# KiCad board SparkFun_IoT_RedBoard-RP2350_panelized.kicad_pcb
title: SparkFun IoT RedBoard - RP2350; date: 2025-02-05; rev: v10; company: SparkFun Electronics; note: Designed by: Alex Brudner
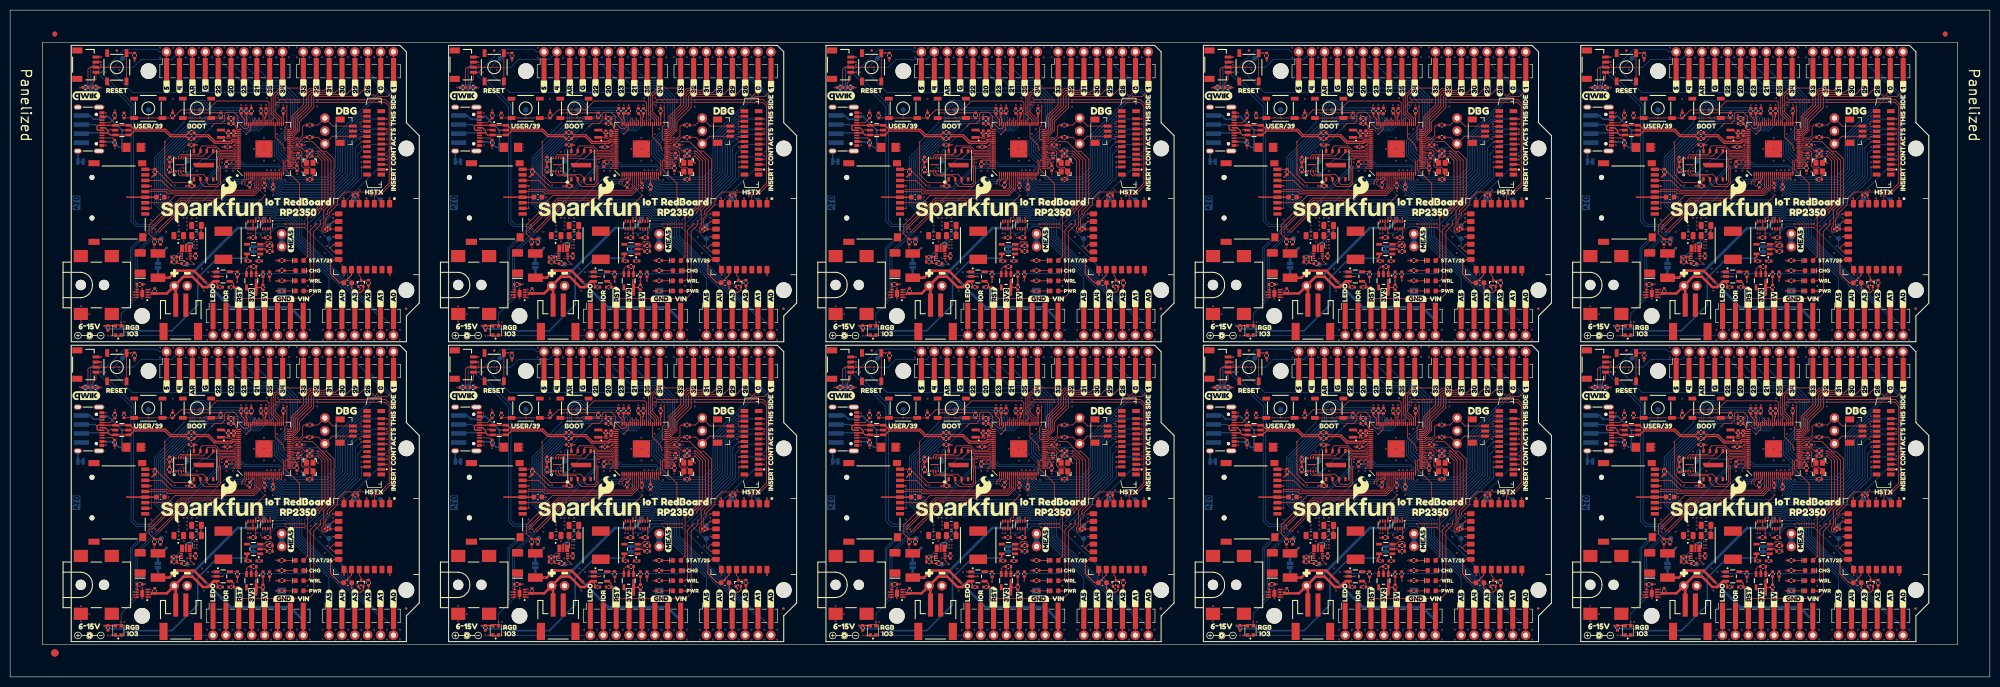
[diagram p0: board, top side]
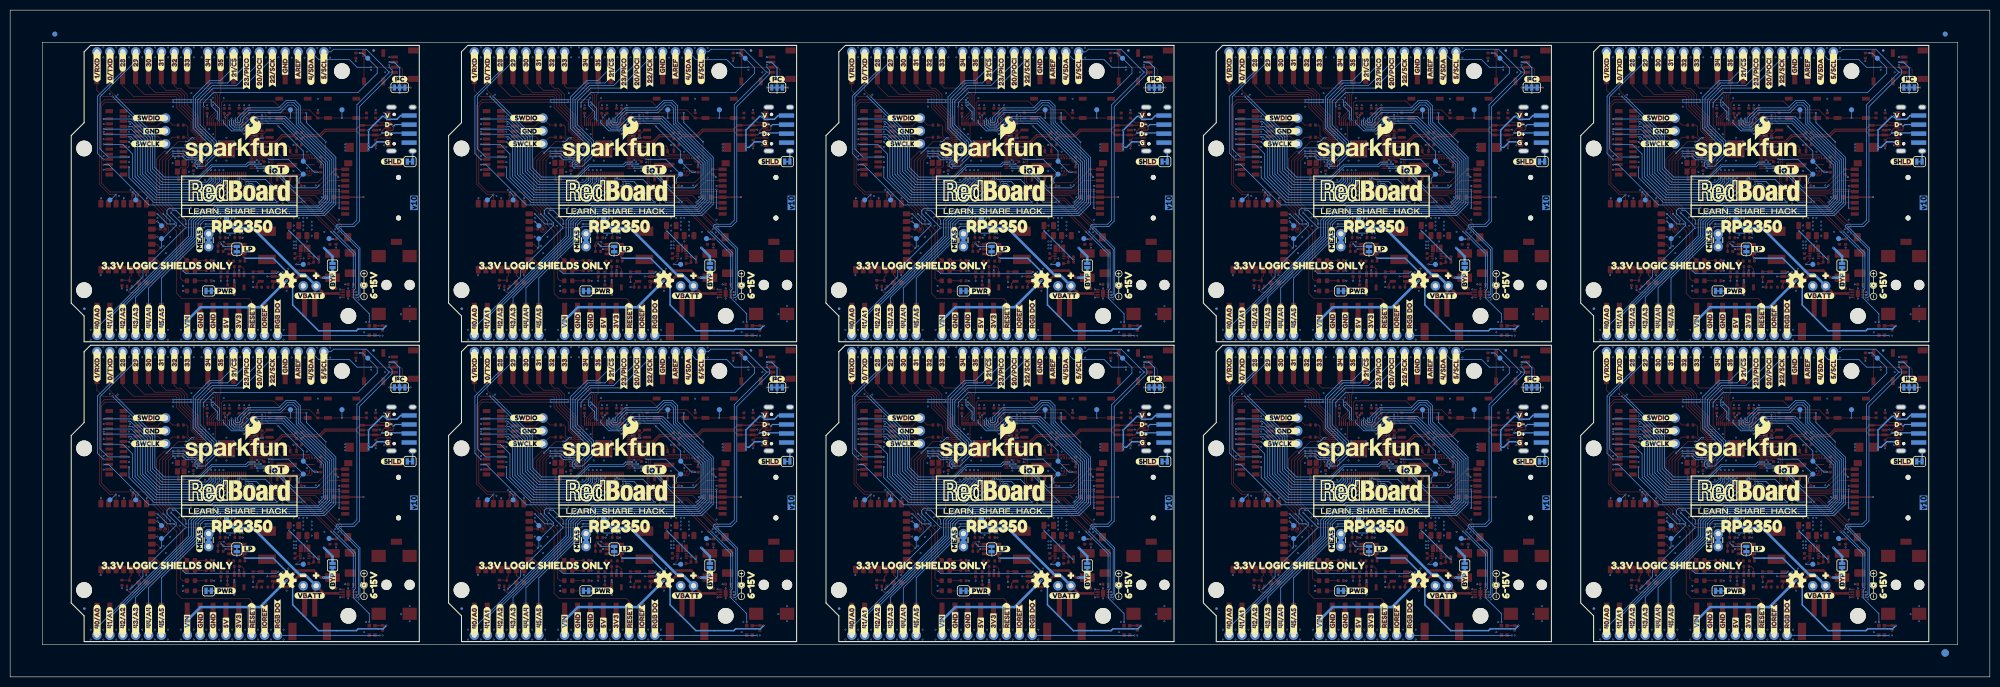
[diagram p1: board, bottom side, seen from below]

Outline 390.08 x 131.44 mm; copper layers: Top, In1.Cu, In2.Cu, Bottom. Coordinates in mm from the lower left corner of the outline.
Outline path: 0,131.44 390.08,131.44 390.08,0 0,0 0,131.44 ; 6.35,125.09 383.73,125.09 383.73,6.35 6.35,6.35 6.35,125.09
Stack: Top 0.035mm / dielectric 0.2104mm FR4-7628 er 4.4 / In1.Cu 0.0152mm / dielectric 1.065mm FR4-Core er 4.6 / In2.Cu 0.0152mm / dielectric 0.2104mm FR4-7628 er 4.4 / Bottom 0.035mm

## Placement (name value [footprint] x y rotation side)
C1  4.7uF  [C_0402_1005Metric]  57.02 45.76 180 top
C1#2  4.7uF  [C_0402_1005Metric]  131.38 45.76 180 top
C1#3  4.7uF  [C_0402_1005Metric]  205.74 45.76 180 top
C1#4  4.7uF  [C_0402_1005Metric]  57.02 104.88 180 top
C1#5  4.7uF  [C_0402_1005Metric]  131.38 104.88 180 top
C1#6  4.7uF  [C_0402_1005Metric]  205.74 104.88 180 top
C1#7  4.7uF  [C_0402_1005Metric]  354.46 104.88 180 top
C1#8  4.7uF  [C_0402_1005Metric]  280.1 104.88 180 top
C1#9  4.7uF  [C_0402_1005Metric]  280.1 45.76 180 top
C1#10  4.7uF  [C_0402_1005Metric]  354.46 45.76 180 top
C2  0.1uF  [C_0402_1005Metric]  49.42 52.46 90 top
C2#2  0.1uF  [C_0402_1005Metric]  198.14 52.46 90 top
C2#3  0.1uF  [C_0402_1005Metric]  49.42 111.58 90 top
C2#4  0.1uF  [C_0402_1005Metric]  346.86 52.46 90 top
C2#5  0.1uF  [C_0402_1005Metric]  123.78 111.58 90 top
C2#6  0.1uF  [C_0402_1005Metric]  198.14 111.58 90 top
C2#7  0.1uF  [C_0402_1005Metric]  123.78 52.46 90 top
C2#8  0.1uF  [C_0402_1005Metric]  272.5 111.58 90 top
C2#9  0.1uF  [C_0402_1005Metric]  272.5 52.46 90 top
C2#10  0.1uF  [C_0402_1005Metric]  346.86 111.58 90 top
C3  4.7uF  [C_0402_1005Metric]  46.52 52.46 270 top
C3#2  4.7uF  [C_0402_1005Metric]  195.24 52.46 270 top
C3#3  4.7uF  [C_0402_1005Metric]  120.88 52.46 270 top
C3#4  4.7uF  [C_0402_1005Metric]  46.52 111.58 270 top
C3#5  4.7uF  [C_0402_1005Metric]  120.88 111.58 270 top
C3#6  4.7uF  [C_0402_1005Metric]  269.6 111.58 270 top
C3#7  4.7uF  [C_0402_1005Metric]  195.24 111.58 270 top
C3#8  4.7uF  [C_0402_1005Metric]  343.96 52.46 270 top
C3#9  4.7uF  [C_0402_1005Metric]  269.6 52.46 270 top
C3#10  4.7uF  [C_0402_1005Metric]  343.96 111.58 270 top
C4  0.1uF  [C_0402_1005Metric]  50.12 37.76 270 top
C4#2  0.1uF  [C_0402_1005Metric]  273.2 37.76 270 top
C4#3  0.1uF  [C_0402_1005Metric]  50.12 96.88 270 top
C4#4  0.1uF  [C_0402_1005Metric]  124.48 96.88 270 top
C4#5  0.1uF  [C_0402_1005Metric]  198.84 37.76 270 top
C4#6  0.1uF  [C_0402_1005Metric]  124.48 37.76 270 top
C4#7  0.1uF  [C_0402_1005Metric]  198.84 96.88 270 top
C4#8  0.1uF  [C_0402_1005Metric]  273.2 96.88 270 top
C4#9  0.1uF  [C_0402_1005Metric]  347.56 37.76 270 top
C4#10  0.1uF  [C_0402_1005Metric]  347.56 96.88 270 top
C5  4.7uF  [C_0402_1005Metric]  43.52 49.96 0 top
C5#2  4.7uF  [C_0402_1005Metric]  43.52 109.08 0 top
C5#3  4.7uF  [C_0402_1005Metric]  117.88 109.08 0 top
C5#4  4.7uF  [C_0402_1005Metric]  117.88 49.96 0 top
C5#5  4.7uF  [C_0402_1005Metric]  266.6 49.96 0 top
C5#6  4.7uF  [C_0402_1005Metric]  340.96 49.96 0 top
C5#7  4.7uF  [C_0402_1005Metric]  192.24 49.96 0 top
C5#8  4.7uF  [C_0402_1005Metric]  340.96 109.08 0 top
C5#9  4.7uF  [C_0402_1005Metric]  192.24 109.08 0 top
C5#10  4.7uF  [C_0402_1005Metric]  266.6 109.08 0 top
C6  4.7uF  [C_0402_1005Metric]  44.02 48.06 270 top
C6#2  4.7uF  [C_0402_1005Metric]  118.38 107.18 270 top
C6#3  4.7uF  [C_0402_1005Metric]  341.46 48.06 270 top
C6#4  4.7uF  [C_0402_1005Metric]  267.1 48.06 270 top
C6#5  4.7uF  [C_0402_1005Metric]  267.1 107.18 270 top
C6#6  4.7uF  [C_0402_1005Metric]  192.74 48.06 270 top
C6#7  4.7uF  [C_0402_1005Metric]  44.02 107.18 270 top
C6#8  4.7uF  [C_0402_1005Metric]  118.38 48.06 270 top
C6#9  4.7uF  [C_0402_1005Metric]  192.74 107.18 270 top
C6#10  4.7uF  [C_0402_1005Metric]  341.46 107.18 270 top
C7  15pF  [C_0402_1005Metric]  207.74 38.96 180 top
C7#2  15pF  [C_0402_1005Metric]  59.02 98.08 180 top
C7#3  15pF  [C_0402_1005Metric]  133.38 98.08 180 top
C7#4  15pF  [C_0402_1005Metric]  282.1 38.96 180 top
C7#5  15pF  [C_0402_1005Metric]  133.38 38.96 180 top
C7#6  15pF  [C_0402_1005Metric]  207.74 98.08 180 top
C7#7  15pF  [C_0402_1005Metric]  356.46 38.96 180 top
C7#8  15pF  [C_0402_1005Metric]  282.1 98.08 180 top
C7#9  15pF  [C_0402_1005Metric]  356.46 98.08 180 top
C7#10  15pF  [C_0402_1005Metric]  59.02 38.96 180 top
C8  0.1uF  [C_0402_1005Metric]  45.52 52.46 90 top
C8#2  0.1uF  [C_0402_1005Metric]  342.96 52.46 90 top
C8#3  0.1uF  [C_0402_1005Metric]  194.24 52.46 90 top
C8#4  0.1uF  [C_0402_1005Metric]  119.88 111.58 90 top
C8#5  0.1uF  [C_0402_1005Metric]  194.24 111.58 90 top
C8#6  0.1uF  [C_0402_1005Metric]  268.6 52.46 90 top
C8#7  0.1uF  [C_0402_1005Metric]  119.88 52.46 90 top
C8#8  0.1uF  [C_0402_1005Metric]  45.52 111.58 90 top
C8#9  0.1uF  [C_0402_1005Metric]  268.6 111.58 90 top
C8#10  0.1uF  [C_0402_1005Metric]  342.96 111.58 90 top
C9  15pF  [C_0402_1005Metric]  133.38 43.56 0 top
C9#2  15pF  [C_0402_1005Metric]  207.74 43.56 0 top
C9#3  15pF  [C_0402_1005Metric]  282.1 102.68 0 top
C9#4  15pF  [C_0402_1005Metric]  59.02 102.68 0 top
C9#5  15pF  [C_0402_1005Metric]  282.1 43.56 0 top
C9#6  15pF  [C_0402_1005Metric]  133.38 102.68 0 top
C9#7  15pF  [C_0402_1005Metric]  207.74 102.68 0 top
C9#8  15pF  [C_0402_1005Metric]  356.46 43.56 0 top
C9#9  15pF  [C_0402_1005Metric]  356.46 102.68 0 top
C9#10  15pF  [C_0402_1005Metric]  59.02 43.56 0 top
C10  4.7uF  [C_0402_1005Metric]  43.02 48.06 270 top
C10#2  4.7uF  [C_0402_1005Metric]  117.38 107.18 270 top
C10#3  4.7uF  [C_0402_1005Metric]  191.74 107.18 270 top
C10#4  4.7uF  [C_0402_1005Metric]  43.02 107.18 270 top
C10#5  4.7uF  [C_0402_1005Metric]  117.38 48.06 270 top
C10#6  4.7uF  [C_0402_1005Metric]  191.74 48.06 270 top
C10#7  4.7uF  [C_0402_1005Metric]  266.1 48.06 270 top
C10#8  4.7uF  [C_0402_1005Metric]  266.1 107.18 270 top
C10#9  4.7uF  [C_0402_1005Metric]  340.46 107.18 270 top
C10#10  4.7uF  [C_0402_1005Metric]  340.46 48.06 270 top
C11  0.1uF  [C_0402_1005Metric]  56.52 41.16 270 top
C11#2  0.1uF  [C_0402_1005Metric]  205.24 100.28 270 top
C11#3  0.1uF  [C_0402_1005Metric]  130.88 100.28 270 top
C11#4  0.1uF  [C_0402_1005Metric]  279.6 41.16 270 top
C11#5  0.1uF  [C_0402_1005Metric]  279.6 100.28 270 top
C11#6  0.1uF  [C_0402_1005Metric]  353.96 41.16 270 top
C11#7  0.1uF  [C_0402_1005Metric]  353.96 100.28 270 top
C11#8  0.1uF  [C_0402_1005Metric]  130.88 41.16 270 top
C11#9  0.1uF  [C_0402_1005Metric]  205.24 41.16 270 top
C11#10  0.1uF  [C_0402_1005Metric]  56.52 100.28 270 top
C12  0.1uF  [C_0402_1005Metric]  50.42 52.46 90 top
C12#2  0.1uF  [C_0402_1005Metric]  50.42 111.58 90 top
C12#3  0.1uF  [C_0402_1005Metric]  124.78 52.46 90 top
C12#4  0.1uF  [C_0402_1005Metric]  124.78 111.58 90 top
C12#5  0.1uF  [C_0402_1005Metric]  199.14 52.46 90 top
C12#6  0.1uF  [C_0402_1005Metric]  199.14 111.58 90 top
C12#7  0.1uF  [C_0402_1005Metric]  273.5 52.46 90 top
C12#8  0.1uF  [C_0402_1005Metric]  347.86 52.46 90 top
C12#9  0.1uF  [C_0402_1005Metric]  347.86 111.58 90 top
C12#10  0.1uF  [C_0402_1005Metric]  273.5 111.58 90 top
C13  0.1uF  [C_0402_1005Metric]  42.82 45.36 180 top
C13#2  0.1uF  [C_0402_1005Metric]  42.82 104.48 180 top
C13#3  0.1uF  [C_0402_1005Metric]  117.18 104.48 180 top
C13#4  0.1uF  [C_0402_1005Metric]  117.18 45.36 180 top
C13#5  0.1uF  [C_0402_1005Metric]  265.9 104.48 180 top
C13#6  0.1uF  [C_0402_1005Metric]  340.26 45.36 180 top
C13#7  0.1uF  [C_0402_1005Metric]  265.9 45.36 180 top
C13#8  0.1uF  [C_0402_1005Metric]  191.54 45.36 180 top
C13#9  0.1uF  [C_0402_1005Metric]  340.26 104.48 180 top
C13#10  0.1uF  [C_0402_1005Metric]  191.54 104.48 180 top
C14  0.1uF  [C_0402_1005Metric]  344.66 96.98 270 top
C14#2  0.1uF  [C_0402_1005Metric]  121.58 37.86 270 top
C14#3  0.1uF  [C_0402_1005Metric]  47.22 96.98 270 top
C14#4  0.1uF  [C_0402_1005Metric]  121.58 96.98 270 top
C14#5  0.1uF  [C_0402_1005Metric]  270.3 37.86 270 top
C14#6  0.1uF  [C_0402_1005Metric]  195.94 96.98 270 top
C14#7  0.1uF  [C_0402_1005Metric]  270.3 96.98 270 top
C14#8  0.1uF  [C_0402_1005Metric]  344.66 37.86 270 top
C14#9  0.1uF  [C_0402_1005Metric]  195.94 37.86 270 top
C14#10  0.1uF  [C_0402_1005Metric]  47.22 37.86 270 top
C15  0.1uF  [C_0402_1005Metric]  126.18 37.46 270 top
C15#2  0.1uF  [C_0402_1005Metric]  51.82 96.58 270 top
C15#3  0.1uF  [C_0402_1005Metric]  126.18 96.58 270 top
C15#4  0.1uF  [C_0402_1005Metric]  200.54 96.58 270 top
C15#5  0.1uF  [C_0402_1005Metric]  274.9 96.58 270 top
C15#6  0.1uF  [C_0402_1005Metric]  200.54 37.46 270 top
C15#7  0.1uF  [C_0402_1005Metric]  274.9 37.46 270 top
C15#8  0.1uF  [C_0402_1005Metric]  349.26 37.46 270 top
C15#9  0.1uF  [C_0402_1005Metric]  349.26 96.58 270 top
C15#10  0.1uF  [C_0402_1005Metric]  51.82 37.46 270 top
C16  0.1uF  [C_0402_1005Metric]  56.77 43.66 270 top
C16#2  0.1uF  [C_0402_1005Metric]  205.49 102.78 270 top
C16#3  0.1uF  [C_0402_1005Metric]  354.21 43.66 270 top
C16#4  0.1uF  [C_0402_1005Metric]  131.13 43.66 270 top
C16#5  0.1uF  [C_0402_1005Metric]  205.49 43.66 270 top
C16#6  0.1uF  [C_0402_1005Metric]  279.85 43.66 270 top
C16#7  0.1uF  [C_0402_1005Metric]  56.77 102.78 270 top
C16#8  0.1uF  [C_0402_1005Metric]  131.13 102.78 270 top
C16#9  0.1uF  [C_0402_1005Metric]  279.85 102.78 270 top
C16#10  0.1uF  [C_0402_1005Metric]  354.21 102.78 270 top
C17  0.1uF  [C_0402_1005Metric]  53.82 52.46 90 top
C17#2  0.1uF  [C_0402_1005Metric]  128.18 111.58 90 top
C17#3  0.1uF  [C_0402_1005Metric]  128.18 52.46 90 top
C17#4  0.1uF  [C_0402_1005Metric]  276.9 111.58 90 top
C17#5  0.1uF  [C_0402_1005Metric]  53.82 111.58 90 top
C17#6  0.1uF  [C_0402_1005Metric]  351.26 52.46 90 top
C17#7  0.1uF  [C_0402_1005Metric]  202.54 52.46 90 top
C17#8  0.1uF  [C_0402_1005Metric]  202.54 111.58 90 top
C17#9  0.1uF  [C_0402_1005Metric]  276.9 52.46 90 top
C17#10  0.1uF  [C_0402_1005Metric]  351.26 111.58 90 top
C18  0.1uF  [C_0402_1005Metric]  42.62 41.96 270 top
C18#2  0.1uF  [C_0402_1005Metric]  42.62 101.08 270 top
C18#3  0.1uF  [C_0402_1005Metric]  265.7 41.96 270 top
C18#4  0.1uF  [C_0402_1005Metric]  191.34 101.08 270 top
C18#5  0.1uF  [C_0402_1005Metric]  116.98 41.96 270 top
C18#6  0.1uF  [C_0402_1005Metric]  116.98 101.08 270 top
C18#7  0.1uF  [C_0402_1005Metric]  340.06 41.96 270 top
C18#8  0.1uF  [C_0402_1005Metric]  340.06 101.08 270 top
C18#9  0.1uF  [C_0402_1005Metric]  265.7 101.08 270 top
C18#10  0.1uF  [C_0402_1005Metric]  191.34 41.96 270 top
C19  0.1uF  [C_0402_1005Metric]  35.72 45.76 180 top
C19#2  0.1uF  [C_0402_1005Metric]  110.08 104.88 180 top
C19#3  0.1uF  [C_0402_1005Metric]  35.72 104.88 180 top
C19#4  0.1uF  [C_0402_1005Metric]  258.8 104.88 180 top
C19#5  0.1uF  [C_0402_1005Metric]  258.8 45.76 180 top
C19#6  0.1uF  [C_0402_1005Metric]  184.44 45.76 180 top
C19#7  0.1uF  [C_0402_1005Metric]  110.08 45.76 180 top
C19#8  0.1uF  [C_0402_1005Metric]  333.16 45.76 180 top
C19#9  0.1uF  [C_0402_1005Metric]  333.16 104.88 180 top
C19#10  0.1uF  [C_0402_1005Metric]  184.44 104.88 180 top
C20  0.1uF  [C_0402_1005Metric]  180.14 42.87 90 top
C20#2  0.1uF  [C_0402_1005Metric]  105.79 42.87 90 top
C20#3  0.1uF  [C_0402_1005Metric]  31.42 101.99 90 top
C20#4  0.1uF  [C_0402_1005Metric]  105.79 101.99 90 top
C20#5  0.1uF  [C_0402_1005Metric]  254.5 42.87 90 top
C20#6  0.1uF  [C_0402_1005Metric]  328.87 101.99 90 top
C20#7  0.1uF  [C_0402_1005Metric]  180.14 101.99 90 top
C20#8  0.1uF  [C_0402_1005Metric]  254.5 101.99 90 top
C20#9  0.1uF  [C_0402_1005Metric]  328.87 42.87 90 top
C20#10  0.1uF  [C_0402_1005Metric]  31.42 42.87 90 top
C21  22uF  [C_0805_2012Metric]  33.22 27.86 0 top
C21#2  22uF  [C_0805_2012Metric]  256.3 27.86 0 top
C21#3  22uF  [C_0805_2012Metric]  330.66 27.86 0 top
C21#4  22uF  [C_0805_2012Metric]  107.58 86.98 0 top
C21#5  22uF  [C_0805_2012Metric]  107.58 27.86 0 top
C21#6  22uF  [C_0805_2012Metric]  181.94 27.86 0 top
C21#7  22uF  [C_0805_2012Metric]  181.94 86.98 0 top
C21#8  22uF  [C_0805_2012Metric]  33.22 86.98 0 top
C21#9  22uF  [C_0805_2012Metric]  256.3 86.98 0 top
C21#10  22uF  [C_0805_2012Metric]  330.66 86.98 0 top
C22  0.1uF  [C_0402_1005Metric]  36.52 23.86 90 top
C22#2  0.1uF  [C_0402_1005Metric]  110.88 82.98 90 top
C22#3  0.1uF  [C_0402_1005Metric]  259.6 23.86 90 top
C22#4  0.1uF  [C_0402_1005Metric]  110.88 23.86 90 top
C22#5  0.1uF  [C_0402_1005Metric]  36.52 82.98 90 top
C22#6  0.1uF  [C_0402_1005Metric]  185.24 82.98 90 top
C22#7  0.1uF  [C_0402_1005Metric]  185.24 23.86 90 top
C22#8  0.1uF  [C_0402_1005Metric]  259.6 82.98 90 top
C22#9  0.1uF  [C_0402_1005Metric]  333.96 82.98 90 top
C22#10  0.1uF  [C_0402_1005Metric]  333.96 23.86 90 top
C23  47pF  [C_0402_1005Metric]  32.32 23.66 0 top
C23#2  47pF  [C_0402_1005Metric]  329.76 23.66 0 top
C23#3  47pF  [C_0402_1005Metric]  255.4 23.66 0 top
C23#4  47pF  [C_0402_1005Metric]  329.76 82.78 0 top
C23#5  47pF  [C_0402_1005Metric]  255.4 82.78 0 top
C23#6  47pF  [C_0402_1005Metric]  181.04 82.78 0 top
C23#7  47pF  [C_0402_1005Metric]  181.04 23.66 0 top
C23#8  47pF  [C_0402_1005Metric]  106.68 82.78 0 top
C23#9  47pF  [C_0402_1005Metric]  32.32 82.78 0 top
C23#10  47pF  [C_0402_1005Metric]  106.68 23.66 0 top
C24  22uF  [C_0805_2012Metric]  36.72 27.86 180 top
C24#2  22uF  [C_0805_2012Metric]  185.44 86.98 180 top
C24#3  22uF  [C_0805_2012Metric]  36.72 86.98 180 top
C24#4  22uF  [C_0805_2012Metric]  111.08 27.86 180 top
C24#5  22uF  [C_0805_2012Metric]  111.08 86.98 180 top
C24#6  22uF  [C_0805_2012Metric]  185.44 27.86 180 top
C24#7  22uF  [C_0805_2012Metric]  334.16 86.98 180 top
C24#8  22uF  [C_0805_2012Metric]  259.8 27.86 180 top
C24#9  22uF  [C_0805_2012Metric]  259.8 86.98 180 top
C24#10  22uF  [C_0805_2012Metric]  334.16 27.86 180 top
C25  22uF  [C_0805_2012Metric]  36.72 29.86 180 top
C25#2  22uF  [C_0805_2012Metric]  36.72 88.98 180 top
C25#3  22uF  [C_0805_2012Metric]  259.8 29.86 180 top
C25#4  22uF  [C_0805_2012Metric]  111.08 88.98 180 top
C25#5  22uF  [C_0805_2012Metric]  334.16 88.98 180 top
C25#6  22uF  [C_0805_2012Metric]  111.08 29.86 180 top
C25#7  22uF  [C_0805_2012Metric]  185.44 29.86 180 top
C25#8  22uF  [C_0805_2012Metric]  185.44 88.98 180 top
C25#9  22uF  [C_0805_2012Metric]  259.8 88.98 180 top
C25#10  22uF  [C_0805_2012Metric]  334.16 29.86 180 top
C26  0.1uF  [C_0402_1005Metric]  102.83 16.96 90 top
C26#2  0.1uF  [C_0402_1005Metric]  28.47 76.08 90 top
C26#3  0.1uF  [C_0402_1005Metric]  177.19 76.08 90 top
C26#4  0.1uF  [C_0402_1005Metric]  251.55 16.96 90 top
C26#5  0.1uF  [C_0402_1005Metric]  251.55 76.08 90 top
C26#6  0.1uF  [C_0402_1005Metric]  102.83 76.08 90 top
C26#7  0.1uF  [C_0402_1005Metric]  177.19 16.96 90 top
C26#8  0.1uF  [C_0402_1005Metric]  325.91 76.08 90 top
C26#9  0.1uF  [C_0402_1005Metric]  325.91 16.96 90 top
C26#10  0.1uF  [C_0402_1005Metric]  28.47 16.96 90 top
C27  0.1uF  [C_0402_1005Metric]  125.48 20.26 270 top
C27#2  0.1uF  [C_0402_1005Metric]  51.12 79.38 270 top
C27#3  0.1uF  [C_0402_1005Metric]  274.2 20.26 270 top
C27#4  0.1uF  [C_0402_1005Metric]  348.56 79.38 270 top
C27#5  0.1uF  [C_0402_1005Metric]  199.84 20.26 270 top
C27#6  0.1uF  [C_0402_1005Metric]  125.48 79.38 270 top
C27#7  0.1uF  [C_0402_1005Metric]  199.84 79.38 270 top
C27#8  0.1uF  [C_0402_1005Metric]  274.2 79.38 270 top
C27#9  0.1uF  [C_0402_1005Metric]  348.56 20.26 270 top
C27#10  0.1uF  [C_0402_1005Metric]  51.12 20.26 270 top
C28  2.2uF  [C_0402_1005Metric]  43.57 17.71 180 top
C28#2  2.2uF  [C_0402_1005Metric]  266.65 76.83 180 top
C28#3  2.2uF  [C_0402_1005Metric]  266.65 17.71 180 top
C28#4  2.2uF  [C_0402_1005Metric]  117.93 17.71 180 top
C28#5  2.2uF  [C_0402_1005Metric]  117.93 76.83 180 top
C28#6  2.2uF  [C_0402_1005Metric]  192.29 17.71 180 top
C28#7  2.2uF  [C_0402_1005Metric]  43.57 76.83 180 top
C28#8  2.2uF  [C_0402_1005Metric]  192.29 76.83 180 top
C28#9  2.2uF  [C_0402_1005Metric]  341.01 76.83 180 top
C28#10  2.2uF  [C_0402_1005Metric]  341.01 17.71 180 top
C29  2.2uF  [C_0402_1005Metric]  49.82 20.26 270 top
C29#2  2.2uF  [C_0402_1005Metric]  124.18 20.26 270 top
C29#3  2.2uF  [C_0402_1005Metric]  49.82 79.38 270 top
C29#4  2.2uF  [C_0402_1005Metric]  347.26 20.26 270 top
C29#5  2.2uF  [C_0402_1005Metric]  347.26 79.38 270 top
C29#6  2.2uF  [C_0402_1005Metric]  124.18 79.38 270 top
C29#7  2.2uF  [C_0402_1005Metric]  272.9 79.38 270 top
C29#8  2.2uF  [C_0402_1005Metric]  198.54 79.38 270 top
C29#9  2.2uF  [C_0402_1005Metric]  198.54 20.26 270 top
C29#10  2.2uF  [C_0402_1005Metric]  272.9 20.26 270 top
C30  2.2uF  [C_0402_1005Metric]  49.07 81.98 180 top
C30#2  2.2uF  [C_0402_1005Metric]  49.07 22.86 180 top
C30#3  2.2uF  [C_0402_1005Metric]  123.43 81.98 180 top
C30#4  2.2uF  [C_0402_1005Metric]  123.43 22.86 180 top
C30#5  2.2uF  [C_0402_1005Metric]  197.79 81.98 180 top
C30#6  2.2uF  [C_0402_1005Metric]  272.15 22.86 180 top
C30#7  2.2uF  [C_0402_1005Metric]  346.51 81.98 180 top
C30#8  2.2uF  [C_0402_1005Metric]  346.51 22.86 180 top
C30#9  2.2uF  [C_0402_1005Metric]  197.79 22.86 180 top
C30#10  2.2uF  [C_0402_1005Metric]  272.15 81.98 180 top
C31  2.2uF  [C_0402_1005Metric]  46.87 22.86 0 top
C31#2  2.2uF  [C_0402_1005Metric]  195.59 81.98 0 top
C31#3  2.2uF  [C_0402_1005Metric]  46.87 81.98 0 top
C31#4  2.2uF  [C_0402_1005Metric]  121.23 22.86 0 top
C31#5  2.2uF  [C_0402_1005Metric]  121.23 81.98 0 top
C31#6  2.2uF  [C_0402_1005Metric]  195.59 22.86 0 top
C31#7  2.2uF  [C_0402_1005Metric]  269.95 81.98 0 top
C31#8  2.2uF  [C_0402_1005Metric]  344.31 22.86 0 top
C31#9  2.2uF  [C_0402_1005Metric]  269.95 22.86 0 top
C31#10  2.2uF  [C_0402_1005Metric]  344.31 81.98 0 top
C32  2.2uF  [C_0402_1005Metric]  124.18 17.66 90 top
C32#2  2.2uF  [C_0402_1005Metric]  49.82 76.78 90 top
C32#3  2.2uF  [C_0402_1005Metric]  124.18 76.78 90 top
C32#4  2.2uF  [C_0402_1005Metric]  198.54 17.66 90 top
C32#5  2.2uF  [C_0402_1005Metric]  272.9 17.66 90 top
C32#6  2.2uF  [C_0402_1005Metric]  272.9 76.78 90 top
C32#7  2.2uF  [C_0402_1005Metric]  347.26 76.78 90 top
C32#8  2.2uF  [C_0402_1005Metric]  198.54 76.78 90 top
C32#9  2.2uF  [C_0402_1005Metric]  347.26 17.66 90 top
C32#10  2.2uF  [C_0402_1005Metric]  49.82 17.66 90 top
C33  4.7uF  [C_0402_1005Metric]  41.37 17.71 0 top
C33#2  4.7uF  [C_0402_1005Metric]  115.73 76.83 0 top
C33#3  4.7uF  [C_0402_1005Metric]  190.09 76.83 0 top
C33#4  4.7uF  [C_0402_1005Metric]  41.37 76.83 0 top
C33#5  4.7uF  [C_0402_1005Metric]  115.73 17.71 0 top
C33#6  4.7uF  [C_0402_1005Metric]  190.09 17.71 0 top
C33#7  4.7uF  [C_0402_1005Metric]  264.45 76.83 0 top
C33#8  4.7uF  [C_0402_1005Metric]  338.81 76.83 0 top
C33#9  4.7uF  [C_0402_1005Metric]  338.81 17.71 0 top
C33#10  4.7uF  [C_0402_1005Metric]  264.45 17.71 0 top
C34  0.1uF  [C_0402_1005Metric]  19.27 9.66 270 top
C34#2  0.1uF  [C_0402_1005Metric]  93.63 9.66 270 top
C34#3  0.1uF  [C_0402_1005Metric]  19.27 68.78 270 top
C34#4  0.1uF  [C_0402_1005Metric]  167.99 68.78 270 top
C34#5  0.1uF  [C_0402_1005Metric]  167.99 9.66 270 top
C34#6  0.1uF  [C_0402_1005Metric]  316.71 9.66 270 top
C34#7  0.1uF  [C_0402_1005Metric]  93.63 68.78 270 top
C34#8  0.1uF  [C_0402_1005Metric]  242.35 9.66 270 top
C34#9  0.1uF  [C_0402_1005Metric]  316.71 68.78 270 top
C34#10  0.1uF  [C_0402_1005Metric]  242.35 68.78 270 top
C35  10uF  [C_0603_1608Metric]  29.62 35.46 0 top
C35#2  10uF  [C_0603_1608Metric]  29.62 94.58 0 top
C35#3  10uF  [C_0603_1608Metric]  103.98 35.46 0 top
C35#4  10uF  [C_0603_1608Metric]  103.98 94.58 0 top
C35#5  10uF  [C_0603_1608Metric]  252.7 35.46 0 top
C35#6  10uF  [C_0603_1608Metric]  252.7 94.58 0 top
C35#7  10uF  [C_0603_1608Metric]  327.06 35.46 0 top
C35#8  10uF  [C_0603_1608Metric]  327.06 94.58 0 top
C35#9  10uF  [C_0603_1608Metric]  178.34 35.46 0 top
C35#10  10uF  [C_0603_1608Metric]  178.34 94.58 0 top
C36  0.1uF  [C_0402_1005Metric]  22.42 110.68 90 top
C36#2  0.1uF  [C_0402_1005Metric]  171.14 110.68 90 top
C36#3  0.1uF  [C_0402_1005Metric]  96.78 51.56 90 top
C36#4  0.1uF  [C_0402_1005Metric]  96.78 110.68 90 top
C36#5  0.1uF  [C_0402_1005Metric]  171.14 51.56 90 top
C36#6  0.1uF  [C_0402_1005Metric]  319.86 51.56 90 top
C36#7  0.1uF  [C_0402_1005Metric]  245.5 51.56 90 top
C36#8  0.1uF  [C_0402_1005Metric]  319.86 110.68 90 top
C36#9  0.1uF  [C_0402_1005Metric]  245.5 110.68 90 top
C36#10  0.1uF  [C_0402_1005Metric]  22.42 51.56 90 top
D1  SK34A  [SMA]  25.62 22.46 90 top
D1#2  SK34A  [SMA]  99.98 81.58 90 top
D1#3  SK34A  [SMA]  25.62 81.58 90 top
D1#4  SK34A  [SMA]  99.98 22.46 90 top
D1#5  SK34A  [SMA]  174.34 22.46 90 top
D1#6  SK34A  [SMA]  323.06 81.58 90 top
D1#7  SK34A  [SMA]  248.7 22.46 90 top
D1#8  SK34A  [SMA]  174.34 81.58 90 top
D1#9  SK34A  [SMA]  323.06 22.46 90 top
D1#10  SK34A  [SMA]  248.7 81.58 90 top
D2  DT1042-04SO  [SOT23-6]  22.02 48.66 0 top
D2#2  DT1042-04SO  [SOT23-6]  96.38 48.66 0 top
D2#3  DT1042-04SO  [SOT23-6]  96.38 107.78 0 top
D2#4  DT1042-04SO  [SOT23-6]  170.74 107.78 0 top
D2#5  DT1042-04SO  [SOT23-6]  22.02 107.78 0 top
D2#6  DT1042-04SO  [SOT23-6]  319.46 48.66 0 top
D2#7  DT1042-04SO  [SOT23-6]  170.74 48.66 0 top
D2#8  DT1042-04SO  [SOT23-6]  245.1 48.66 0 top
D2#9  DT1042-04SO  [SOT23-6]  245.1 107.78 0 top
D2#10  DT1042-04SO  [SOT23-6]  319.46 107.78 0 top
D3  Yellow  [LED_0603_1608Metric_Yellow]  57.02 20.96 180 top
D3#2  Yellow  [LED_0603_1608Metric_Yellow]  57.02 80.08 180 top
D3#3  Yellow  [LED_0603_1608Metric_Yellow]  131.38 20.96 180 top
D3#4  Yellow  [LED_0603_1608Metric_Yellow]  354.46 80.08 180 top
D3#5  Yellow  [LED_0603_1608Metric_Yellow]  131.38 80.08 180 top
D3#6  Yellow  [LED_0603_1608Metric_Yellow]  205.74 20.96 180 top
D3#7  Yellow  [LED_0603_1608Metric_Yellow]  280.1 20.96 180 top
D3#8  Yellow  [LED_0603_1608Metric_Yellow]  280.1 80.08 180 top
D3#9  Yellow  [LED_0603_1608Metric_Yellow]  354.46 20.96 180 top
D3#10  Yellow  [LED_0603_1608Metric_Yellow]  205.74 80.08 180 top
D4  WS2812B  [WS2812_2020]  95.68 9.16 270 top
D4#2  WS2812B  [WS2812_2020]  21.32 68.28 270 top
D4#3  WS2812B  [WS2812_2020]  21.32 9.16 270 top
D4#4  WS2812B  [WS2812_2020]  170.04 68.28 270 top
D4#5  WS2812B  [WS2812_2020]  244.4 68.28 270 top
D4#6  WS2812B  [WS2812_2020]  170.04 9.16 270 top
D4#7  WS2812B  [WS2812_2020]  95.68 68.28 270 top
D4#8  WS2812B  [WS2812_2020]  244.4 9.16 270 top
D4#9  WS2812B  [WS2812_2020]  318.76 9.16 270 top
D4#10  WS2812B  [WS2812_2020]  318.76 68.28 270 top